# Altium PCB 2-quilter-output.PcbDoc (part 17 of 26)
Units mil, origin at the board's own origin, x right, y up, seen from the top; angles counter-clockwise.
Board outline 4130.55 x 4250 mil, 8 copper layers (L1, Ground L2, L3, Power L4, Ground L5, L6, Ground L7, L8), stack 62.985 mil thick; 591 components, 494 nets, 2245 pads, 1508 vias.
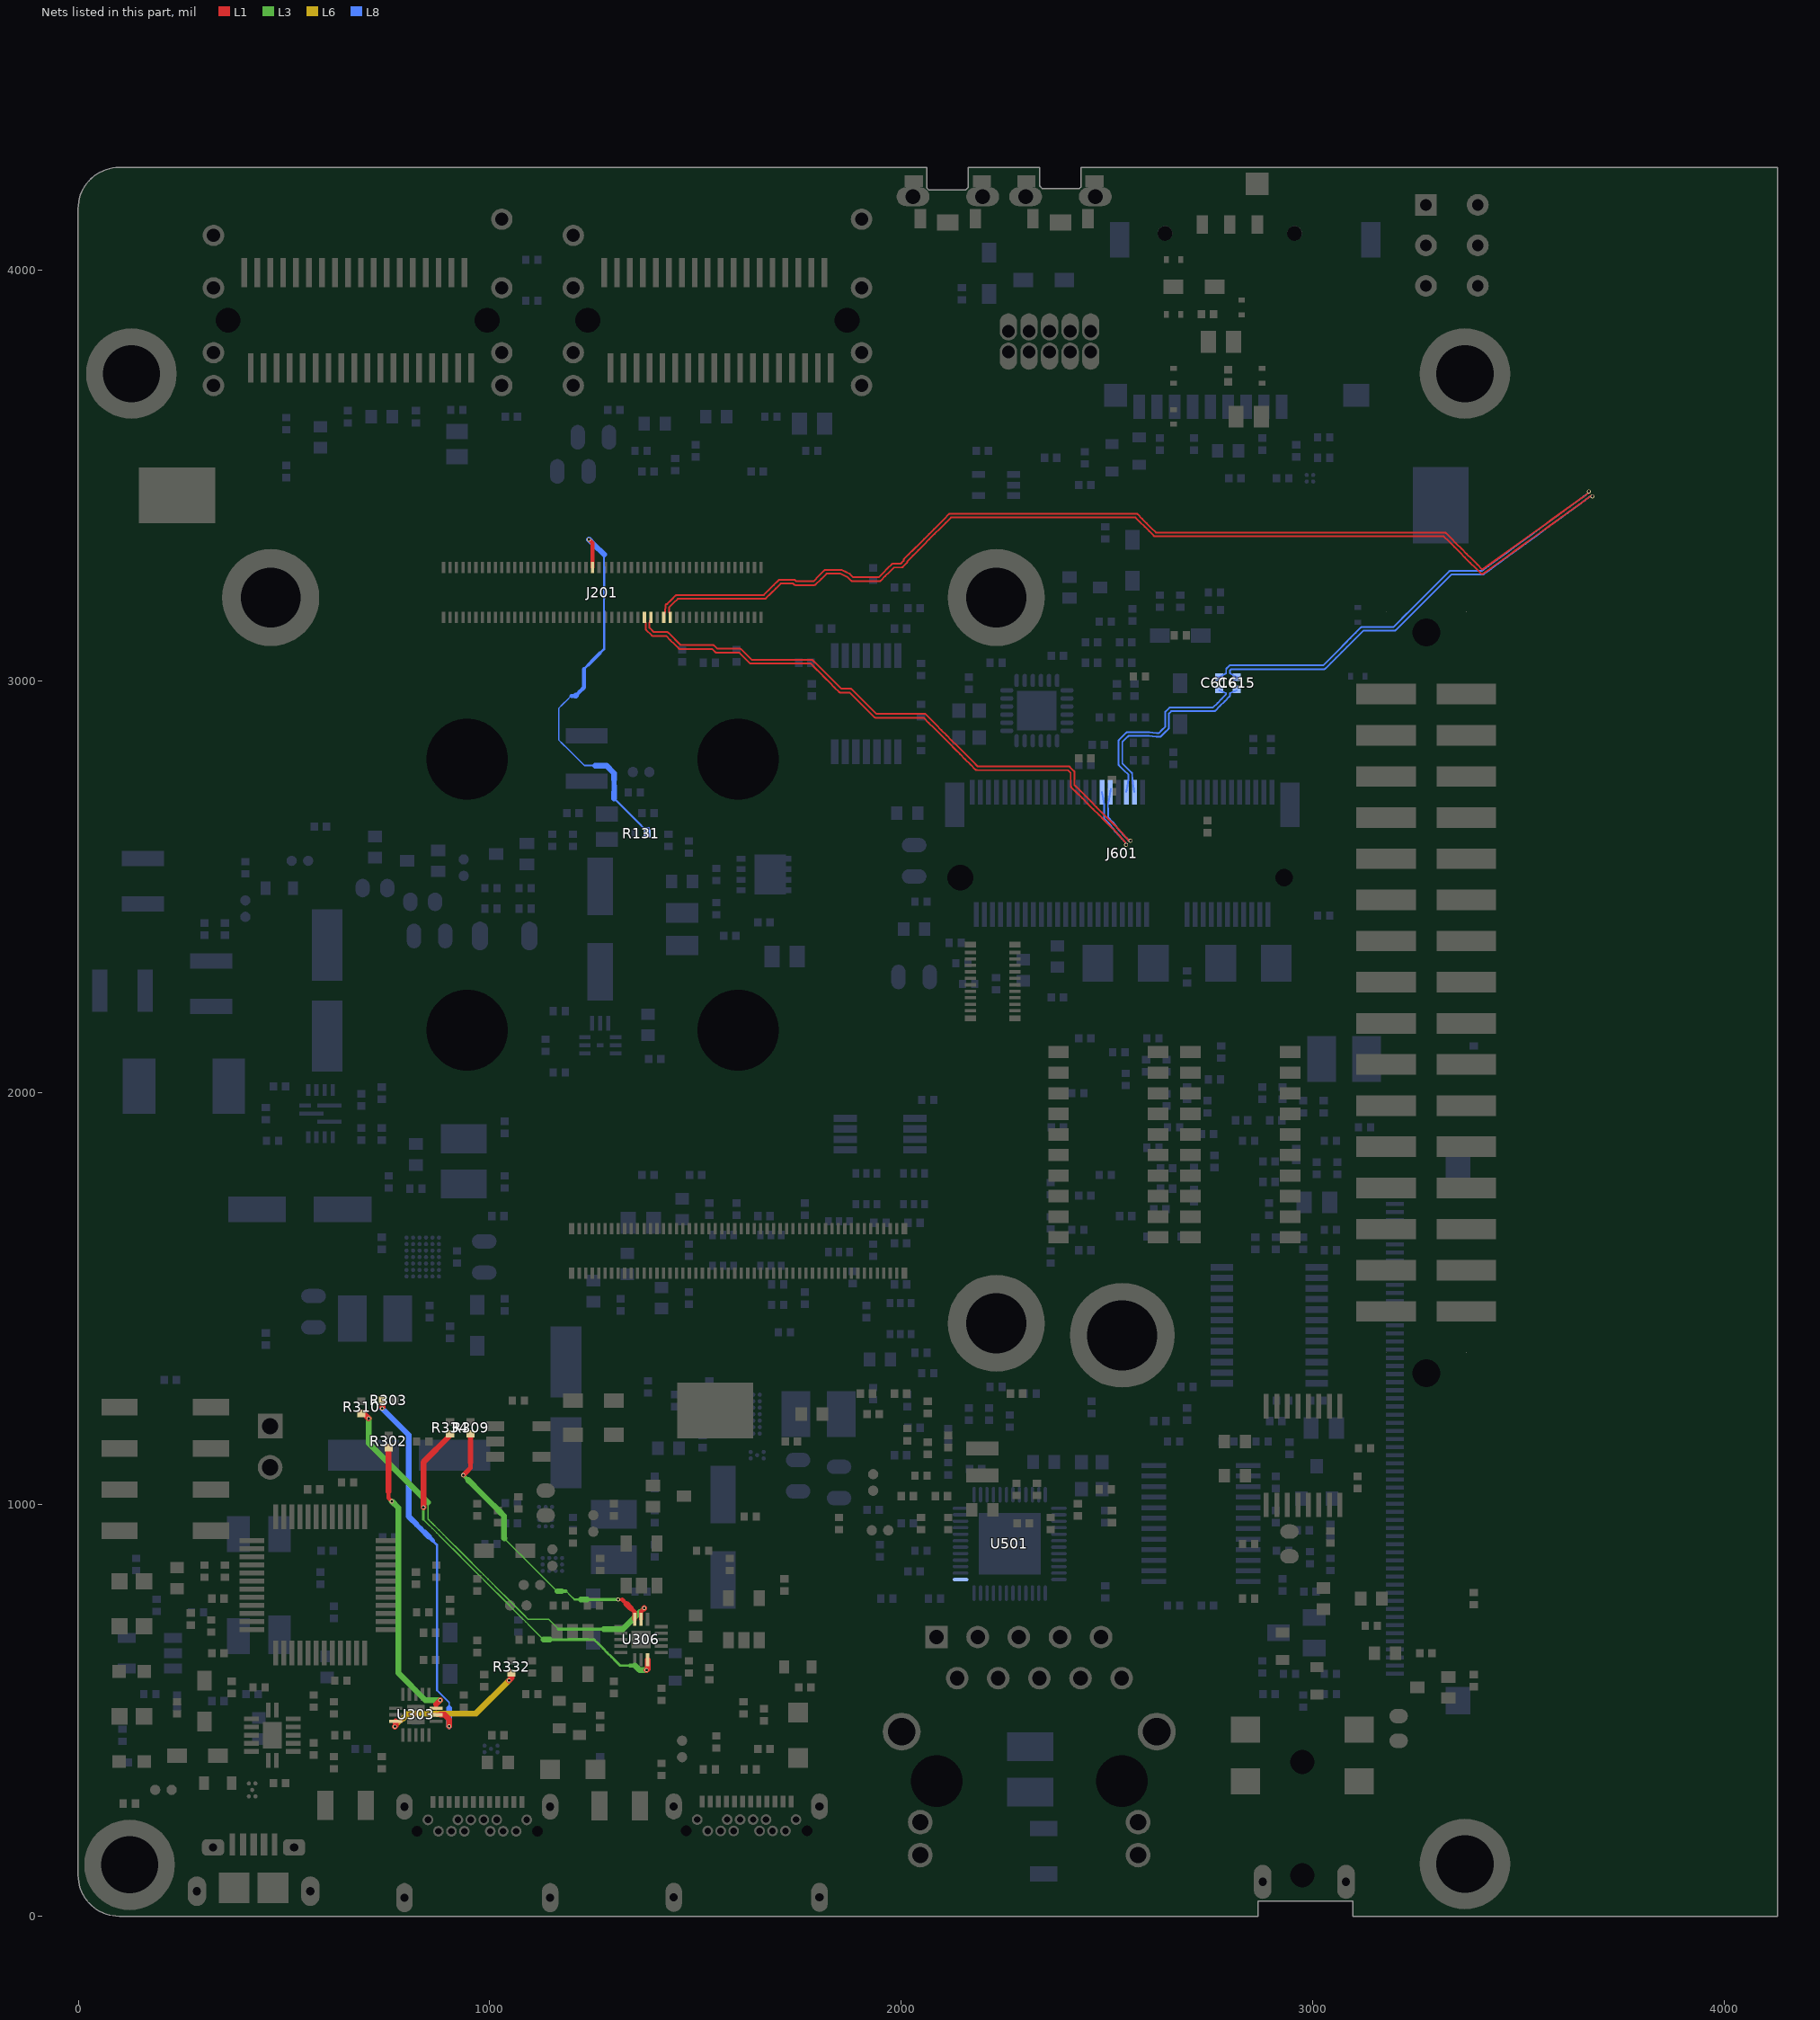
[diagram p23: the nets of this part, all layers, seen from the top]

## Via types
v1: diameter 9.85, hole 5.91, L1 to L8, tented both sides, 1508 vias

## Nets (pads, with @x,y where several pads share a name; then routed paths per layer and width w, separated by ;. In a path a pad name is that pad's centre, name@x,y a point inside that pad or via, vN(x,y) a via of type N, cw(c..) or ccw(c..) an arc to the next point about the centre after c; other vN are vias at no path point) (continued)
PCIE_RX_N: J201.63 J601.43 | length 1587.3
  L1 w4.28: J201.63@1375.99,3155.16 1379.24,3141.2 1379.06,3128.27 1379.06,3128.15 1379.07,3128.03 1379.07,3127.91 1379.08,3127.78 1379.09,3127.66 1379.11,3127.54 1379.13,3127.42 1379.15,3127.3 1379.18,3127.18 1379.21,3127.06 1379.24,3126.95 1379.27,3126.83 1379.31,3126.71 1379.35,3126.6 1379.39,3126.48 1379.44,3126.37 1379.49,3126.26 1379.54,3126.15 1379.6,3126.04 1379.66,3125.93 1379.72,3125.83 1379.78,3125.72 1379.85,3125.62 1379.92,3125.52 1379.99,3125.42 1380.07,3125.33 1380.14,3125.23 1380.22,3125.14 1380.3,3125.05 1380.39,3124.96 1393.87,3111.48 1393.95,3111.4 1394.04,3111.31 1394.14,3111.23 1394.23,3111.16 1394.33,3111.08 1394.42,3111.01 1394.52,3110.94 1394.62,3110.87 1394.73,3110.8 1394.83,3110.74 1394.94,3110.68 1395.05,3110.63 1395.16,3110.57 1395.27,3110.52 1395.38,3110.47 1395.49,3110.43 1395.61,3110.39 1395.72,3110.35 1395.84,3110.31 1395.96,3110.28 1396.08,3110.25 1396.19,3110.22 1396.31,3110.2 1396.43,3110.18 1396.55,3110.16 1396.68,3110.15 1396.8,3110.14 1396.92,3110.13 1397.04,3110.12 1397.15,3110.12 1413.27,3110.12 1429.39,3110.12 1439.4,3100.12 1449.4,3090.11 1459.41,3080.11 1459.49,3080.02 1459.58,3079.94 1459.68,3079.86 1459.77,3079.78 1459.87,3079.71 1459.96,3079.63 1460.06,3079.56 1460.16,3079.5 1460.27,3079.43 1460.37,3079.37 1460.48,3079.31 1460.59,3079.25 1460.7,3079.2 1460.81,3079.15 1460.92,3079.1 1461.03,3079.05 1461.15,3079.01 1461.26,3078.97 1461.38,3078.94 1461.5,3078.91 1461.62,3078.88 1461.73,3078.85 1461.85,3078.83 1461.97,3078.8 1462.09,3078.79 1462.22,3078.77 1462.34,3078.76 1462.46,3078.76 1462.58,3078.75 1462.69,3078.75 1478.25,3078.75 1493.81,3078.75 1509.37,3078.75 1524.93,3078.75 1540.49,3078.75 1548.09,3071.14 1548.18,3071.06 1548.27,3070.98 1548.36,3070.9 1548.46,3070.82 1548.55,3070.74 1548.65,3070.67 1548.75,3070.6 1548.85,3070.53 1548.95,3070.47 1549.06,3070.4 1549.17,3070.35 1549.27,3070.29 1549.38,3070.24 1549.49,3070.18 1549.61,3070.14 1549.72,3070.09 1549.83,3070.05 1549.95,3070.01 1550.07,3069.97 1550.18,3069.94 1550.3,3069.91 1550.42,3069.88 1550.54,3069.86 1550.66,3069.84 1550.78,3069.82 1550.9,3069.81 1551.02,3069.8 1551.15,3069.79 1551.27,3069.79 1551.38,3069.79 1569.72,3069.79 1588.06,3069.79 1606.4,3069.79 1619.16,3057.02 1631.93,3044.25 1632.02,3044.17 1632.11,3044.09 1632.2,3044.01 1632.29,3043.93 1632.39,3043.85 1632.49,3043.78 1632.59,3043.71 1632.69,3043.64 1632.79,3043.58 1632.9,3043.51 1633,3043.45 1633.11,3043.4 1633.22,3043.34 1633.33,3043.29 1633.44,3043.24 1633.56,3043.2 1633.67,3043.16 1633.79,3043.12 1633.9,3043.08 1634.02,3043.05 1634.14,3043.02 1634.26,3042.99 1634.38,3042.97 1634.5,3042.95 1634.62,3042.93 1634.74,3042.92 1634.86,3042.91 1634.98,3042.9 1635.1,3042.9 1635.21,3042.89 1653.38,3042.89 1671.55,3042.89 1689.72,3042.89 1707.9,3042.89 1726.07,3042.89 1744.24,3042.89 1762.41,3042.89 1780.58,3042.89 1792.07,3031.4 1803.56,3019.92 1815.05,3008.43 1826.54,2996.94 1838.03,2985.45 1849.52,2973.96 1849.6,2973.87 1849.69,2973.79 1849.79,2973.71 1849.88,2973.63 1849.97,2973.56 1850.07,2973.48 1850.17,2973.41 1850.27,2973.35 1850.38,2973.28 1850.48,2973.22 1850.59,2973.16 1850.7,2973.1 1850.81,2973.05 1850.92,2973 1851.03,2972.95 1851.14,2972.9 1851.26,2972.86 1851.37,2972.82 1851.49,2972.79 1851.61,2972.76 1851.72,2972.73 1851.84,2972.7 1851.96,2972.68 1852.08,2972.65 1852.2,2972.64 1852.33,2972.62 1852.45,2972.61 1852.57,2972.61 1852.69,2972.6 1852.8,2972.6 1863.95,2972.6 1875.11,2972.6 1887.03,2960.68 1898.95,2948.76 1910.87,2936.84 1922.79,2924.91 1934.71,2912.99 1934.8,2912.91 1934.89,2912.83 1934.98,2912.74 1935.07,2912.67 1935.17,2912.59 1935.27,2912.52 1935.37,2912.45 1935.47,2912.38 1935.57,2912.32 1935.68,2912.25 1935.78,2912.19 1935.89,2912.14 1936,2912.08 1936.11,2912.03 1936.22,2911.98 1936.34,2911.94 1936.45,2911.9 1936.57,2911.86 1936.68,2911.82 1936.8,2911.79 1936.92,2911.76 1937.04,2911.73 1937.16,2911.71 1937.28,2911.69 1937.4,2911.67 1937.52,2911.66 1937.64,2911.65 1937.76,2911.64 1937.88,2911.64 1937.99,2911.63 1954.69,2911.63 1971.38,2911.63 1988.08,2911.63 2004.78,2911.63 2021.47,2911.63 2038.17,2911.63 2054.86,2911.63 2067.49,2899.01 2080.12,2886.38 2092.75,2873.75 2105.37,2861.12 2118,2848.49 2130.63,2835.87 2143.26,2823.24 2155.89,2810.61 2168.51,2797.98 2181.14,2785.35 2181.23,2785.27 2181.32,2785.19 2181.41,2785.11 2181.5,2785.03 2181.6,2784.95 2181.7,2784.88 2181.8,2784.81 2181.9,2784.74 2182,2784.68 2182.11,2784.61 2182.21,2784.56 2182.32,2784.5 2182.43,2784.45 2182.54,2784.39 2182.65,2784.35 2182.77,2784.3 2182.88,2784.26 2183,2784.22 2183.11,2784.18 2183.23,2784.15 2183.35,2784.12 2183.47,2784.09 2183.59,2784.07 2183.71,2784.05 2183.83,2784.03 2183.95,2784.02 2184.07,2784.01 2184.19,2784 2184.32,2784 2184.42,2784 2202.82,2784 2221.22,2784 2239.61,2784 2258.01,2784 2276.41,2784 2294.81,2784 2313.2,2784 2331.6,2784 2350,2784 2368.39,2784 2386.79,2784 2405.19,2784 2412.2,2776.98 2412.2,2761.51 2412.2,2746.04 2412.21,2745.92 2412.21,2745.79 2412.22,2745.67 2412.23,2745.55 2412.24,2745.43 2412.26,2745.31 2412.28,2745.19 2412.31,2745.07 2412.33,2744.95 2412.36,2744.83 2412.4,2744.72 2412.43,2744.6 2412.47,2744.48 2412.52,2744.37 2412.56,2744.26 2412.61,2744.14 2412.66,2744.03 2412.71,2743.92 2412.77,2743.82 2412.83,2743.71 2412.89,2743.61 2412.96,2743.5 2413.03,2743.4 2413.1,2743.3 2413.17,2743.2 2413.25,2743.11 2413.33,2743.01 2413.41,2742.92 2413.49,2742.83 2413.56,2742.76 2426.99,2729.33 2440.42,2715.9 2453.85,2702.47 2467.28,2689.04 2480.72,2675.61 2494.15,2662.17 2507.58,2648.74 2521.01,2635.31 2528.05,2627.49 2535.1,2619.66 2535.17,2619.53 2535.23,2619.43 2535.3,2619.32 2535.36,2619.22 2535.43,2619.12 2535.5,2619.02 2535.58,2618.93 2535.65,2618.83 2535.73,2618.74 2535.8,2618.67 2542.41,2611.43 2549.03,2604.2 v1(2546.97,2602.32)
  L8 w4.28: J601.43@2488.42,2730.52 2491.01,2715.26 2493.61,2699.98 2493.77,2686.66 2493.77,2667.86 2493.77,2667.74 2493.77,2667.62 2493.78,2667.5 2493.79,2667.38 2493.81,2667.26 2493.82,2667.14 2493.85,2667.02 2493.87,2666.9 2493.9,2666.78 2493.93,2666.66 2493.96,2666.54 2494,2666.43 2494.04,2666.31 2494.08,2666.2 2494.12,2666.08 2494.17,2665.97 2494.22,2665.86 2494.28,2665.75 2494.33,2665.64 2494.39,2665.54 2494.46,2665.43 2494.52,2665.33 2494.59,2665.23 2494.66,2665.13 2494.73,2665.03 2494.81,2664.93 2494.89,2664.84 2494.97,2664.75 2495.05,2664.66 2495.13,2664.58 2508.45,2651.26 2514.7,2642.87 2520.95,2634.48 2521.02,2634.38 2521.1,2634.29 2521.18,2634.19 2521.26,2634.1 2528.49,2626.32 2535.71,2618.54 2535.79,2618.45 2535.88,2618.37 2535.97,2618.28 2536.06,2618.2 2536.15,2618.12 2536.25,2618.05 2536.34,2617.97 2536.44,2617.9 2536.54,2617.83 ; 2536.58,2617.81 2549.03,2604.2 v1(2546.97,2602.32)
PCIE_RX_P: J201.65 J601.41 | length 1581.8
  L1 w4.28: J201.65@1391.75,3155.16 1388.52,3141.08 1388.37,3130.1 1399.07,3119.4 1415.19,3119.4 1431.32,3119.4 1431.42,3119.4 1431.54,3119.4 1431.67,3119.39 1431.79,3119.38 1431.91,3119.36 1432.03,3119.35 1432.15,3119.33 1432.27,3119.3 1432.39,3119.28 1432.51,3119.25 1432.62,3119.21 1432.74,3119.18 1432.86,3119.14 1432.97,3119.1 1433.08,3119.05 1433.2,3119 1433.31,3118.95 1433.42,3118.9 1433.52,3118.84 1433.63,3118.78 1433.74,3118.72 1433.84,3118.66 1433.94,3118.59 1434.04,3118.52 1434.14,3118.45 1434.23,3118.37 1434.33,3118.29 1434.42,3118.21 1434.51,3118.13 1434.6,3118.04 1444.6,3108.04 1454.61,3098.03 1464.61,3088.03 1480.17,3088.03 1495.73,3088.03 1511.29,3088.03 1526.85,3088.03 1542.41,3088.03 1542.52,3088.03 1542.64,3088.02 1542.76,3088.02 1542.88,3088.01 1543.01,3087.99 1543.13,3087.97 1543.25,3087.95 1543.37,3087.93 1543.48,3087.9 1543.6,3087.87 1543.72,3087.84 1543.84,3087.81 1543.95,3087.77 1544.07,3087.72 1544.18,3087.68 1544.29,3087.63 1544.4,3087.58 1544.51,3087.53 1544.62,3087.47 1544.73,3087.41 1544.83,3087.35 1544.94,3087.28 1545.04,3087.22 1545.14,3087.14 1545.23,3087.07 1545.33,3087 1545.42,3086.92 1545.52,3086.84 1545.61,3086.76 1545.69,3086.67 1553.3,3079.07 1571.64,3079.07 1589.98,3079.07 1608.32,3079.07 1608.43,3079.06 1608.55,3079.06 1608.67,3079.05 1608.79,3079.04 1608.91,3079.03 1609.03,3079.01 1609.15,3078.99 1609.27,3078.97 1609.39,3078.94 1609.51,3078.91 1609.63,3078.88 1609.75,3078.84 1609.86,3078.8 1609.98,3078.76 1610.09,3078.72 1610.2,3078.67 1610.31,3078.62 1610.42,3078.56 1610.53,3078.51 1610.64,3078.45 1610.74,3078.38 1610.84,3078.32 1610.95,3078.25 1611.04,3078.18 1611.14,3078.11 1611.24,3078.03 1611.33,3077.95 1611.42,3077.87 1611.51,3077.79 1611.6,3077.71 1624.37,3064.94 1637.13,3052.17 1655.3,3052.17 1673.48,3052.17 1691.65,3052.17 1709.82,3052.17 1727.99,3052.17 1746.16,3052.17 1764.33,3052.17 1782.5,3052.17 1782.61,3052.17 1782.73,3052.17 1782.85,3052.16 1782.98,3052.15 1783.1,3052.14 1783.22,3052.12 1783.34,3052.1 1783.46,3052.08 1783.58,3052.05 1783.69,3052.02 1783.81,3051.99 1783.93,3051.95 1784.04,3051.91 1784.16,3051.87 1784.27,3051.82 1784.38,3051.78 1784.49,3051.72 1784.6,3051.67 1784.71,3051.61 1784.82,3051.56 1784.92,3051.49 1785.03,3051.43 1785.13,3051.36 1785.23,3051.29 1785.33,3051.22 1785.42,3051.14 1785.52,3051.06 1785.61,3050.98 1785.7,3050.9 1785.78,3050.82 1797.27,3039.33 1808.76,3027.84 1820.25,3016.35 1831.74,3004.86 1843.23,2993.37 1854.72,2981.88 1865.87,2981.88 1877.03,2981.88 1877.13,2981.88 1877.26,2981.87 1877.38,2981.87 1877.5,2981.86 1877.62,2981.84 1877.74,2981.82 1877.86,2981.8 1877.98,2981.78 1878.1,2981.75 1878.22,2981.72 1878.34,2981.69 1878.45,2981.66 1878.57,2981.62 1878.68,2981.57 1878.8,2981.53 1878.91,2981.48 1879.02,2981.43 1879.13,2981.38 1879.24,2981.32 1879.34,2981.26 1879.45,2981.2 1879.55,2981.13 1879.65,2981.07 1879.75,2980.99 1879.85,2980.92 1879.95,2980.85 1880.04,2980.77 1880.13,2980.69 1880.22,2980.61 1880.31,2980.52 1892.23,2968.6 1904.15,2956.68 1916.07,2944.76 1927.99,2932.84 1939.91,2920.91 1956.61,2920.91 1973.31,2920.91 1990,2920.91 2006.7,2920.91 2023.39,2920.91 2040.09,2920.91 2056.78,2920.91 2056.89,2920.91 2057.01,2920.91 2057.14,2920.9 2057.26,2920.89 2057.38,2920.88 2057.5,2920.86 2057.62,2920.84 2057.74,2920.82 2057.86,2920.79 2057.98,2920.76 2058.09,2920.73 2058.21,2920.69 2058.33,2920.65 2058.44,2920.61 2058.55,2920.56 2058.67,2920.52 2058.78,2920.46 2058.89,2920.41 2058.99,2920.35 2059.1,2920.29 2059.21,2920.23 2059.31,2920.17 2059.41,2920.1 2059.51,2920.03 2059.61,2919.96 2059.7,2919.88 2059.8,2919.8 2059.89,2919.72 2059.98,2919.64 2060.07,2919.56 2072.69,2906.93 2085.32,2894.3 2097.95,2881.67 2110.58,2869.04 2123.21,2856.42 2135.83,2843.79 2148.46,2831.16 2161.09,2818.53 2173.72,2805.9 2186.35,2793.28 2204.74,2793.28 2223.14,2793.28 2241.54,2793.28 2259.93,2793.28 2278.33,2793.28 2296.73,2793.28 2315.13,2793.28 2333.52,2793.28 2351.92,2793.28 2370.32,2793.28 2388.71,2793.28 2407.11,2793.28 2407.22,2793.27 2407.34,2793.27 2407.46,2793.26 2407.58,2793.25 2407.71,2793.24 2407.83,2793.22 2407.95,2793.2 2408.07,2793.18 2408.18,2793.15 2408.3,2793.12 2408.42,2793.09 2408.54,2793.05 2408.65,2793.01 2408.77,2792.97 2408.88,2792.93 2408.99,2792.88 2409.1,2792.83 2409.21,2792.77 2409.32,2792.72 2409.43,2792.66 2409.53,2792.59 2409.64,2792.53 2409.74,2792.46 2409.84,2792.39 2409.93,2792.32 2410.03,2792.24 2410.12,2792.16 2410.22,2792.08 2410.31,2792 2410.39,2791.92 2420.13,2782.18 2420.2,2782.11 2420.28,2782.02 2420.36,2781.93 2420.44,2781.83 2420.52,2781.74 2420.59,2781.64 2420.66,2781.54 2420.73,2781.44 2420.8,2781.34 2420.86,2781.23 2420.92,2781.12 2420.98,2781.02 2421.03,2780.91 2421.08,2780.8 2421.13,2780.68 2421.17,2780.57 2421.22,2780.46 2421.26,2780.34 2421.29,2780.23 2421.33,2780.11 2421.36,2779.99 2421.38,2779.87 2421.41,2779.75 2421.43,2779.63 2421.44,2779.51 2421.46,2779.39 2421.47,2779.27 2421.48,2779.15 2421.48,2779.02 2421.49,2778.9 2421.49,2763.43 2421.49,2747.96 2434.76,2734.69 2448.03,2721.42 2461.3,2708.15 2474.57,2694.88 2487.84,2681.6 2501.11,2668.33 2514.38,2655.06 2527.65,2641.79 2527.74,2641.71 2527.82,2641.62 2535.3,2633.31 2542.78,2625.01 2542.82,2624.96 2542.9,2624.87 2542.97,2624.78 2543.05,2624.68 2543.12,2624.58 2543.19,2624.48 2543.25,2624.38 2543.32,2624.27 2543.38,2624.17 2543.43,2624.07 2555.87,2610.46 v1(2557.93,2612.34)
  L8 w4.28: J601.41@2510.17,2738.95 2507.74,2726 2505.32,2713.05 2502.89,2700.09 2503.05,2686.74 2503.05,2686.69 2503.05,2669.79 2515.25,2657.59 2515.29,2657.54 2515.38,2657.45 2515.46,2657.36 2515.54,2657.27 2515.61,2657.17 2515.69,2657.08 2521.97,2648.65 2528.24,2640.22 2534.98,2632.97 2541.71,2625.71 2541.82,2625.65 2541.92,2625.58 2542.01,2625.51 2542.11,2625.43 2542.2,2625.35 2542.3,2625.27 2542.39,2625.19 2542.47,2625.11 2542.56,2625.02 2542.64,2624.93 2549.26,2617.7 2555.87,2610.46 v1(2557.93,2612.34)
PCIE_TX_N: C616.1 J201.69 | length 3580.4
  L1 w4.28: J201.69@1423.24,3155.16 1426.47,3169.43 1427.27,3183.71 1427.27,3183.79 1427.28,3183.91 1427.29,3184.03 1427.31,3184.15 1427.33,3184.27 1427.35,3184.39 1427.38,3184.51 1427.41,3184.63 1427.44,3184.75 1427.48,3184.86 1427.52,3184.98 1427.56,3185.09 1427.6,3185.21 1427.65,3185.32 1427.7,3185.43 1427.75,3185.54 1427.81,3185.65 1427.87,3185.75 1427.93,3185.86 1428,3185.96 1428.06,3186.06 1428.13,3186.16 1428.21,3186.26 1428.28,3186.36 1428.36,3186.45 1428.44,3186.54 1428.52,3186.63 1428.61,3186.72 1428.69,3186.81 1428.78,3186.89 1428.87,3186.97 1428.97,3187.05 1429.06,3187.12 1429.16,3187.2 1429.26,3187.27 1429.36,3187.34 1429.46,3187.4 1429.57,3187.46 1429.68,3187.52 1429.78,3187.58 1429.89,3187.63 1430,3187.69 1430.12,3187.73 1430.23,3187.78 1430.34,3187.82 1430.46,3187.86 1430.58,3187.9 1430.69,3187.93 1430.81,3187.96 1430.93,3187.99 1431.05,3188.01 1431.17,3188.03 1431.29,3188.05 1431.41,3188.07 ; 1431.44,3188.07 1441.66,3198.29 1451.87,3208.5 1451.95,3208.58 1452.04,3208.66 1452.13,3208.74 1452.23,3208.82 1452.32,3208.9 1452.42,3208.97 1452.52,3209.04 1452.62,3209.11 1452.72,3209.17 1452.83,3209.24 1452.93,3209.3 1453.04,3209.35 1453.15,3209.41 1453.26,3209.46 1453.37,3209.51 1453.49,3209.55 1453.6,3209.59 1453.72,3209.63 1453.83,3209.67 1453.95,3209.7 1454.07,3209.73 1454.19,3209.76 1454.31,3209.78 1454.43,3209.8 1454.55,3209.82 1454.67,3209.84 1454.79,3209.85 1454.91,3209.86 1455.03,3209.86 1455.16,3209.86 1472.77,3209.86 1490.39,3209.86 1508.01,3209.86 1525.62,3209.86 1543.24,3209.86 1560.86,3209.86 1578.48,3209.86 1596.09,3209.86 1613.71,3209.86 1631.33,3209.86 1648.94,3209.86 1666.56,3209.86 1678.43,3221.73 1690.3,3233.6 1702.17,3245.47 1702.24,3245.54 1702.33,3245.63 1702.43,3245.71 1702.52,3245.79 1702.61,3245.86 1702.71,3245.93 1702.81,3246.01 1702.91,3246.07 1703.02,3246.14 1703.12,3246.2 1703.23,3246.26 1703.33,3246.32 1703.44,3246.37 1703.55,3246.42 1703.67,3246.47 1703.78,3246.52 1703.89,3246.56 1704.01,3246.6 1704.13,3246.63 1704.24,3246.67 1704.36,3246.7 1704.48,3246.73 1704.6,3246.75 1704.72,3246.77 1704.84,3246.79 1704.96,3246.8 1705.08,3246.81 1705.21,3246.82 1705.33,3246.83 1705.45,3246.83 1722.52,3246.83 1739.6,3246.83 1739.7,3246.83 1739.83,3246.82 1739.95,3246.81 1740.07,3246.8 1740.19,3246.79 1740.31,3246.77 1740.43,3246.75 1740.55,3246.73 1740.67,3246.7 1740.79,3246.67 1740.91,3246.64 1741.02,3246.6 1741.14,3246.56 1741.25,3246.52 1741.37,3246.48 1741.48,3246.43 1741.59,3246.38 1741.7,3246.32 1741.81,3246.27 1741.91,3246.21 1742.02,3246.15 1742.12,3246.08 1742.22,3246.01 1742.32,3245.94 1742.42,3245.87 1742.52,3245.79 1742.61,3245.72 1742.7,3245.64 1742.79,3245.55 1742.88,3245.47 1745.1,3243.24 1759.08,3243.24 1773.06,3243.24 1787.04,3243.24 1800.27,3256.47 1813.5,3269.7 1813.57,3269.77 1813.66,3269.86 1813.75,3269.94 1813.85,3270.01 1813.94,3270.09 1814.04,3270.16 1814.14,3270.23 1814.24,3270.3 1814.34,3270.37 1814.45,3270.43 1814.56,3270.49 1814.66,3270.55 1814.77,3270.6 1814.88,3270.65 1815,3270.7 1815.11,3270.75 1815.22,3270.79 1815.34,3270.83 1815.46,3270.86 1815.57,3270.9 1815.69,3270.93 1815.81,3270.95 1815.93,3270.98 1816.05,3271 1816.17,3271.02 1816.29,3271.03 1816.41,3271.04 1816.53,3271.05 1816.66,3271.06 1816.78,3271.06 1835.1,3271.06 1853.43,3271.06 1853.55,3271.05 1853.67,3271.05 1853.8,3271.04 1853.92,3271.03 1854.04,3271.01 1854.16,3271 1854.28,3270.98 1854.4,3270.95 1854.52,3270.92 1854.63,3270.89 1854.75,3270.86 1854.87,3270.82 1854.98,3270.78 1855.1,3270.74 1855.21,3270.7 1855.32,3270.65 1855.43,3270.6 1864.93,3266.01 1874.42,3261.43 1874.51,3261.39 1874.62,3261.33 1874.72,3261.27 1874.83,3261.21 1874.93,3261.15 1875.03,3261.08 1875.13,3261.01 1875.23,3260.93 1875.33,3260.86 1875.42,3260.78 1875.51,3260.7 1875.6,3260.62 1875.69,3260.53 1883.49,3252.73 1899.03,3252.73 1914.56,3252.73 1930.09,3252.73 1945.62,3252.73 1956.22,3263.32 1966.81,3273.91 1977.4,3284.51 1977.48,3284.58 1977.57,3284.66 1977.66,3284.74 1977.75,3284.82 1977.85,3284.9 1977.95,3284.97 1978.04,3285.04 1978.15,3285.11 1978.25,3285.17 1978.35,3285.24 1978.46,3285.3 1978.57,3285.35 1978.68,3285.41 1978.79,3285.46 1978.9,3285.51 1979.01,3285.55 1979.13,3285.6 1979.24,3285.64 1979.36,3285.67 1979.48,3285.7 1979.59,3285.73 1979.71,3285.76 1979.83,3285.79 1979.95,3285.81 1980.07,3285.82 1980.2,3285.84 1980.32,3285.85 1980.44,3285.86 1980.56,3285.86 1980.68,3285.86 1998.95,3285.86 2005.91,3292.83 2005.91,3293.73 2005.92,3293.83 2005.92,3293.95 2005.93,3294.08 2005.94,3294.2 2005.95,3294.32 2005.97,3294.44 2005.99,3294.56 2006.01,3294.68 2006.04,3294.8 2006.07,3294.92 2006.1,3295.03 2006.14,3295.15 2006.18,3295.27 2006.22,3295.38 2006.27,3295.49 2006.31,3295.61 2006.36,3295.72 2006.42,3295.83 2006.47,3295.93 2006.53,3296.04 2006.6,3296.15 2006.66,3296.25 2006.73,3296.35 2006.8,3296.45 2006.87,3296.55 2006.95,3296.64 2007.03,3296.74 2007.11,3296.83 2007.19,3296.92 2007.27,3297.01 2019.4,3309.13 2031.52,3321.25 2043.64,3333.37 2055.76,3345.49 2067.88,3357.62 2080,3369.74 2092.13,3381.86 2104.25,3393.98 2116.37,3406.1 2116.45,3406.18 2116.54,3406.26 2116.63,3406.34 2116.72,3406.42 2116.82,3406.49 2116.91,3406.57 2117.01,3406.64 2117.11,3406.71 2117.22,3406.77 2117.32,3406.83 2117.43,3406.89 2117.54,3406.95 2117.65,3407.01 2117.76,3407.06 2117.87,3407.11 2117.98,3407.15 2118.1,3407.19 2118.21,3407.23 2118.33,3407.27 2118.45,3407.3 2118.56,3407.33 2118.68,3407.36 2118.8,3407.38 2118.92,3407.4 2119.04,3407.42 2119.16,3407.44 2119.29,3407.45 2119.41,3407.45 2119.53,3407.46 2119.65,3407.46 2138.48,3407.46 2157.32,3407.46 2176.15,3407.46 2194.98,3407.46 2213.82,3407.46 2232.65,3407.46 2251.48,3407.46 2270.32,3407.46 2289.15,3407.46 2307.98,3407.46 2326.82,3407.46 2345.65,3407.46 2364.48,3407.46 2383.32,3407.46 2402.15,3407.46 2420.98,3407.46 2439.81,3407.46 2458.65,3407.46 2477.48,3407.46 2496.31,3407.46 2515.15,3407.46 2533.98,3407.46 2552.81,3407.46 2571.65,3407.46 2571.75,3407.46 2571.88,3407.46 2572,3407.45 2572.12,3407.44 2572.24,3407.42 2572.36,3407.41 2572.48,3407.39 2572.6,3407.36 2572.72,3407.34 2572.84,3407.31 2572.96,3407.27 2573.07,3407.24 2573.19,3407.2 2573.3,3407.16 2573.42,3407.11 2573.53,3407.06 2573.64,3407.01 2573.75,3406.96 2573.86,3406.9 2573.96,3406.84 2574.07,3406.78 2574.17,3406.72 2574.27,3406.65 2574.37,3406.58 2574.47,3406.5 2574.57,3406.43 2574.66,3406.35 2574.75,3406.27 2574.84,3406.19 2574.93,3406.1 2586.04,3394.99 2597.15,3383.89 2608.25,3372.78 2619.36,3361.67 2638.33,3361.67 2657.29,3361.67 2676.25,3361.67 2695.22,3361.67 2714.18,3361.67 2733.15,3361.67 2752.11,3361.67 2771.07,3361.67 2790.04,3361.67 2809,3361.67 2827.97,3361.67 2846.93,3361.67 2865.89,3361.67 2884.86,3361.67 2903.82,3361.67 2922.79,3361.67 2941.75,3361.67 2960.71,3361.67 2979.68,3361.67 2998.64,3361.67 3017.61,3361.67 3036.57,3361.67 3055.53,3361.67 3074.5,3361.67 3093.46,3361.67 3112.43,3361.67 3131.39,3361.67 3150.35,3361.67 3169.32,3361.67 3188.28,3361.67 3207.25,3361.67 3226.21,3361.67 3245.17,3361.67 3264.14,3361.67 3283.1,3361.67 3302.07,3361.67 3321.03,3361.67 3321.14,3361.67 3321.26,3361.66 3321.38,3361.65 3321.5,3361.64 3321.62,3361.63 3321.74,3361.61 3321.86,3361.59 3321.98,3361.57 3322.1,3361.54 3322.22,3361.51 3322.34,3361.48 3322.46,3361.44 3322.57,3361.4 3322.68,3361.36 3322.8,3361.32 3322.91,3361.27 3323.02,3361.22 3323.13,3361.16 3323.24,3361.11 3323.35,3361.05 3323.45,3360.99 3323.55,3360.92 3323.65,3360.85 3323.75,3360.78 3323.85,3360.71 3323.95,3360.64 3324.04,3360.56 3324.13,3360.48 3324.22,3360.39 3324.31,3360.31 3337,3347.62 3349.68,3334.94 3362.36,3322.25 3375.05,3309.57 3387.73,3296.89 3400.42,3284.2 3413.1,3271.52 3428.38,3282.55 3443.65,3293.58 3458.93,3304.61 3474.21,3315.64 3489.48,3326.67 3504.76,3337.7 3520.03,3348.73 3535.31,3359.76 3550.59,3370.79 3565.86,3381.82 3581.14,3392.85 3596.41,3403.88 3611.69,3414.91 3626.97,3425.94 3642.24,3436.97 3657.52,3448 3657.58,3448.04 3657.68,3448.11 3657.78,3448.18 3657.88,3448.24 3657.99,3448.3 3658.1,3448.36 3673.4,3459.47 v1(3671.77,3461.73)